# Altium PCB Prometheus.PcbDoc (part 2 of 2)
Units mm, origin at the board's own origin, x right, y up, seen from the top; angles counter-clockwise.
Board outline 87.63 x 93.35 mm, 2 copper layers (Top Layer, Bottom Layer), stack 1.58 mm thick; 78 components, 51 nets, 376 pads, 577 vias.
Unrouted connection lines stored in the file: 10.
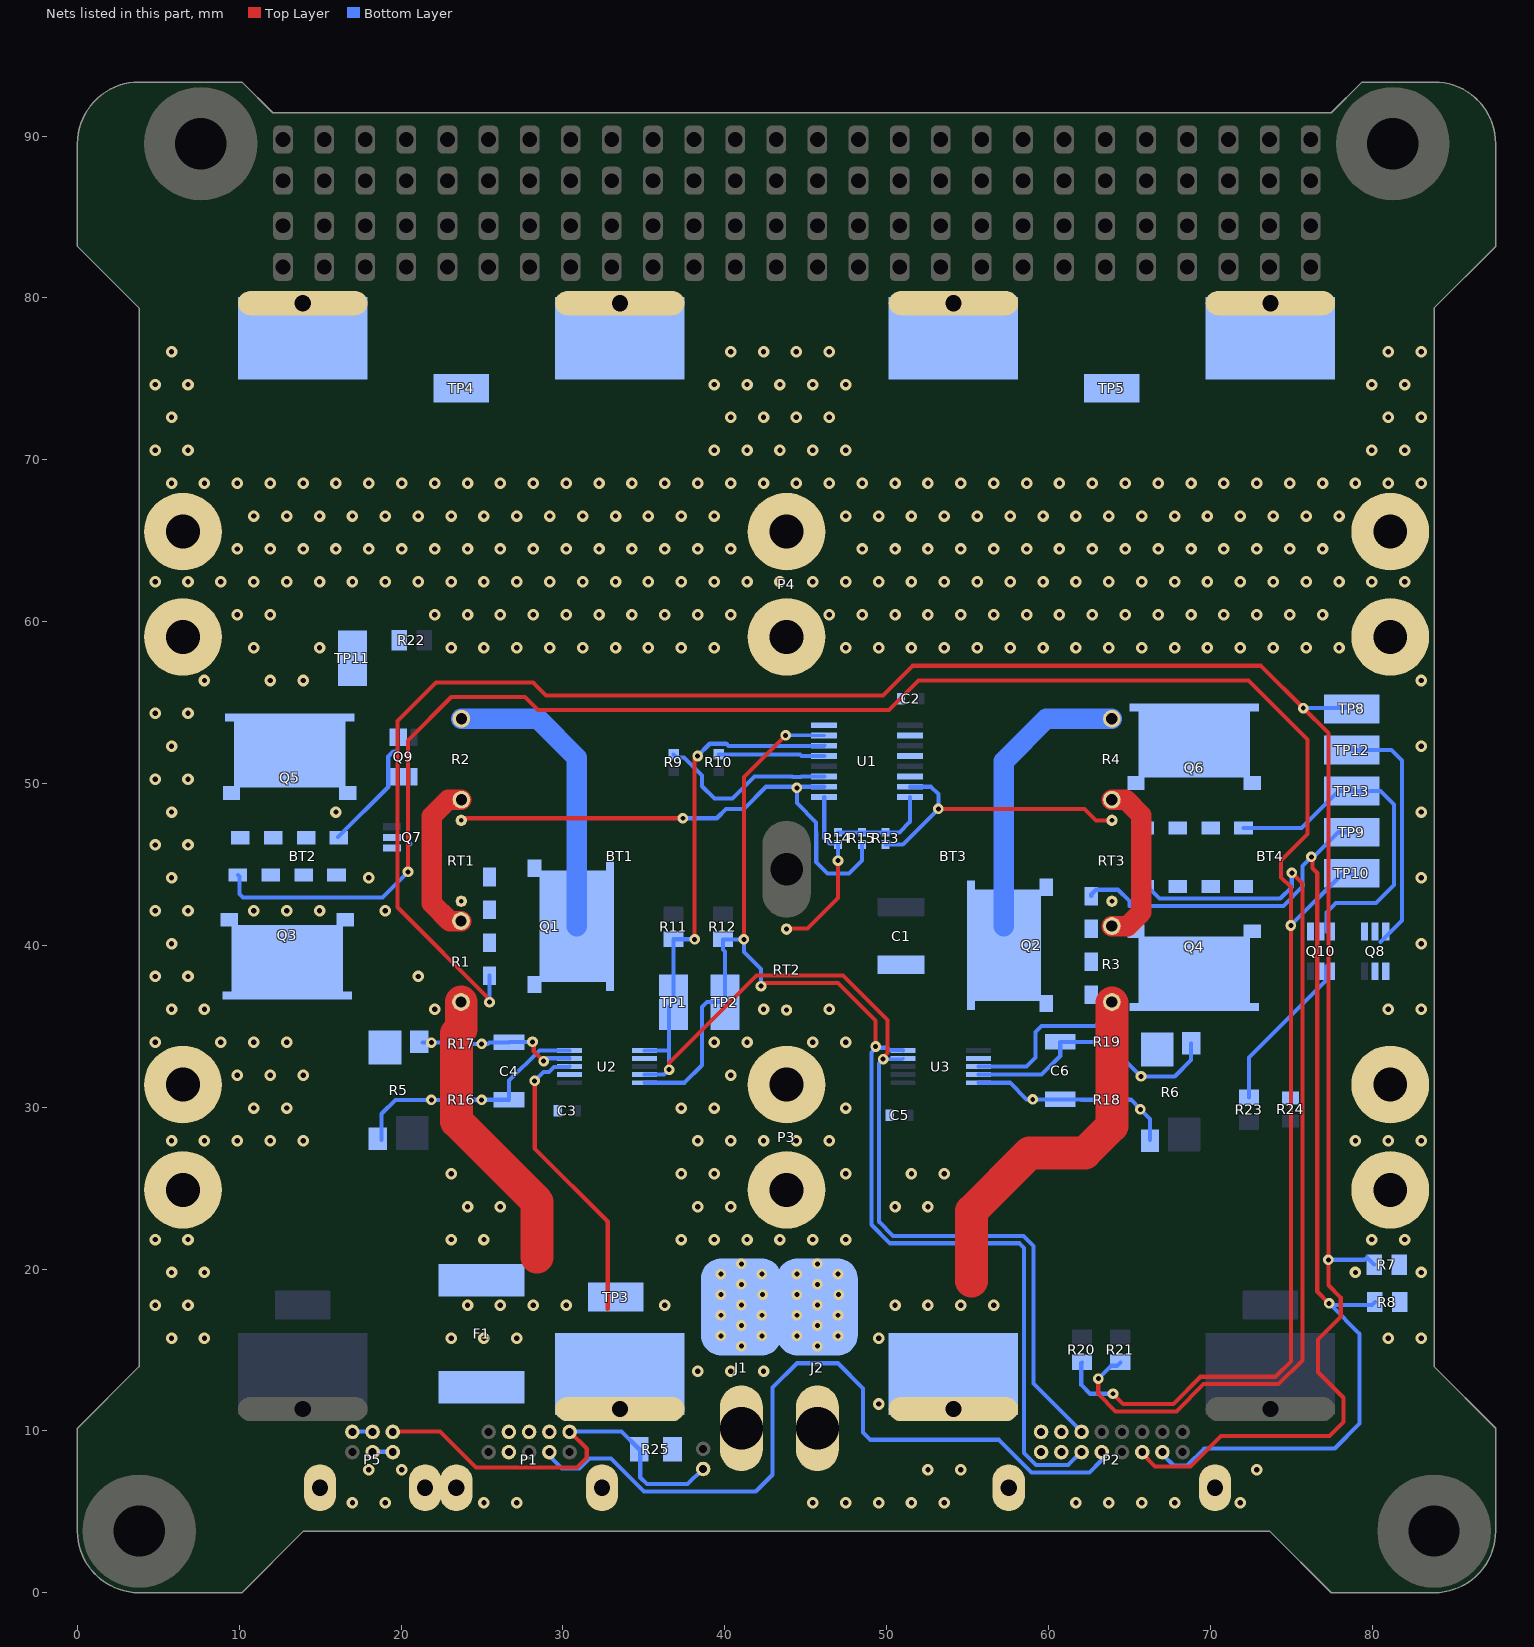
[diagram p2: the nets of this part, all layers, seen from the top]

## Via types
v1: diameter 0.711, hole 0.33, Top Layer to Bottom Layer, tented both sides, 363 vias
v2: diameter 0.655, hole 0.25, Top Layer to Bottom Layer, tented both sides, 128 vias
v3: diameter 0.655, hole 0.305, Top Layer to Bottom Layer, tented both sides, 86 vias

## Nets (pads, with @x,y where several pads share a name; then routed paths per layer and width w, separated by ;. In a path a pad name is that pad's centre, name@x,y a point inside that pad or via, vN(x,y) a via of type N, cw(c..) or ccw(c..) an arc to the next point about the centre after c; other vN are vias at no path point) (continued)
GND: C1.1 C2.1 C3.1 C5.1 J2.1 J2.2 P1.3 P1.8 P1.11 P1.12 P2.1 P2.2 P2.3 P2.4 P2.17 P2.18 P3.1 P3.2 P3.3 P3.4 P3.5 P3.6 P4.1 P4.2 P4.3 P4.4 P4.5 P4.6 P5.7 P5.8 Q1.3 Q2.3 Q5.2 Q6.2 Q7.3 Q8.3 Q9.3 Q10.3 R7.1 R8.1 R24.1 RT1.1 RT2.1 RT3.1 U1.2 U1.4 U1.6 U1.16 U2.2 U2.7 U3.7
  other v1: 16.989,5.565 19.021,5.565 25.117,5.565 27.149,5.565 45.437,5.565 47.469,5.565 49.501,5.565 51.533,5.565 53.565,5.565 61.693,5.565 63.725,5.565 65.757,5.565 67.789,5.565 71.853,5.565 18.005,7.597 20.037,7.597 52.549,7.597 54.581,7.597 72.869,7.597 5.813,15.725 7.845,15.725 80.997,15.725 83.029,15.725 4.797,17.757 6.829,17.757 5.813,19.789 7.845,19.789 78.965,19.789 83.029,19.789 4.797,21.821 6.829,21.821 23.085,21.821 25.117,21.821 37.309,21.821 39.341,21.821 41.373,21.821 43.405,21.821 45.437,21.821 47.469,21.821 79.981,21.821 82.013,21.821 24.101,23.853 26.133,23.853 38.325,23.853 40.357,23.853 50.517,23.853 52.549,23.853 23.085,25.885 37.309,25.885 39.341,25.885 47.469,25.885 51.533,25.885 53.565,25.885 5.813,27.917 7.845,27.917 9.877,27.917 11.909,27.917 13.941,27.917 38.325,27.917 40.357,27.917 42.389,27.917 44.421,27.917 46.453,27.917 78.965,27.917 80.997,27.917 83.029,27.917 10.893,29.949 12.925,29.949 37.309,29.949 39.341,29.949 47.469,29.949 9.877,31.981 11.909,31.981 13.941,31.981 40.357,31.981 4.797,34.013 8.861,34.013 10.893,34.013 12.925,34.013 39.341,34.013 41.373,34.013 45.437,34.013 47.469,34.013 5.813,36.045 7.845,36.045 22.069,36.045 42.389,36.045 46.453,36.045 80.997,36.045 83.029,36.045 4.797,38.077 6.829,38.077 21.053,38.077 5.813,40.109 83.029,40.109 4.797,42.141 6.829,42.141 10.893,42.141 12.925,42.141 14.957,42.141 19.021,42.141 5.813,44.173 18.005,44.173 83.029,44.173 4.797,46.205 6.829,46.205 5.813,48.237 15.973,48.237 83.029,48.237 4.797,50.269 6.829,50.269 5.813,52.301 83.029,52.301 4.797,54.333 6.829,54.333 7.845,56.365 11.909,56.365 13.941,56.365 83.029,56.365 10.893,58.397 14.957,58.397 23.085,58.397 25.117,58.397 27.149,58.397 29.181,58.397 31.213,58.397 33.245,58.397 35.277,58.397 37.309,58.397 39.341,58.397 47.469,58.397 49.501,58.397 51.533,58.397 53.565,58.397 55.597,58.397 57.629,58.397 59.661,58.397 61.693,58.397 63.725,58.397 65.757,58.397 67.789,58.397 69.821,58.397 71.853,58.397 73.885,58.397 75.917,58.397 77.949,58.397 9.877,60.429 11.909,60.429 22.069,60.429 24.101,60.429 26.133,60.429 28.165,60.429 30.197,60.429 32.229,60.429 34.261,60.429 36.293,60.429 38.325,60.429 40.357,60.429 46.453,60.429 48.485,60.429 50.517,60.429 52.549,60.429 54.581,60.429 56.613,60.429 58.645,60.429 60.677,60.429 62.709,60.429 64.741,60.429 66.773,60.429 68.805,60.429 70.837,60.429 72.869,60.429 74.901,60.429 76.933,60.429 4.797,62.461 6.829,62.461 8.861,62.461 10.893,62.461 12.925,62.461 14.957,62.461 16.989,62.461 19.021,62.461 21.053,62.461 23.085,62.461 25.117,62.461 27.149,62.461 29.181,62.461 31.213,62.461 33.245,62.461 35.277,62.461 37.309,62.461 39.341,62.461 41.373,62.461 43.405,62.461 45.437,62.461 47.469,62.461 49.501,62.461 51.533,62.461 53.565,62.461 55.597,62.461 57.629,62.461 59.661,62.461 61.693,62.461 63.725,62.461 65.757,62.461 67.789,62.461 69.821,62.461 71.853,62.461 73.885,62.461 75.917,62.461 77.949,62.461 79.981,62.461 82.013,62.461 9.877,64.493 11.909,64.493 13.941,64.493 15.973,64.493 18.005,64.493 20.037,64.493 22.069,64.493 24.101,64.493 26.133,64.493 28.165,64.493 30.197,64.493 32.229,64.493 34.261,64.493 36.293,64.493 38.325,64.493 40.357,64.493 48.485,64.493 50.517,64.493 52.549,64.493 54.581,64.493 56.613,64.493 58.645,64.493 60.677,64.493 62.709,64.493 64.741,64.493 66.773,64.493 68.805,64.493 70.837,64.493 72.869,64.493 74.901,64.493 76.933,64.493 10.893,66.525 12.925,66.525 14.957,66.525 16.989,66.525 19.021,66.525 21.053,66.525 23.085,66.525 25.117,66.525 27.149,66.525 29.181,66.525 31.213,66.525 33.245,66.525 35.277,66.525 37.309,66.525 39.341,66.525 47.469,66.525 49.501,66.525 51.533,66.525 53.565,66.525 55.597,66.525 57.629,66.525 59.661,66.525 61.693,66.525 63.725,66.525 65.757,66.525 67.789,66.525 69.821,66.525 71.853,66.525 73.885,66.525 75.917,66.525 77.949,66.525 5.813,68.557 7.845,68.557 9.877,68.557 11.909,68.557 13.941,68.557 15.973,68.557 18.005,68.557 20.037,68.557 22.069,68.557 24.101,68.557 26.133,68.557 28.165,68.557 30.197,68.557 32.229,68.557 34.261,68.557 36.293,68.557 38.325,68.557 40.357,68.557 42.389,68.557 44.421,68.557 46.453,68.557 48.485,68.557 50.517,68.557 52.549,68.557 54.581,68.557 56.613,68.557 58.645,68.557 60.677,68.557 62.709,68.557 64.741,68.557 66.773,68.557 68.805,68.557 70.837,68.557 72.869,68.557 74.901,68.557 76.933,68.557 78.965,68.557 80.997,68.557 83.029,68.557 4.797,70.589 6.829,70.589 39.341,70.589 41.373,70.589 43.405,70.589 45.437,70.589 47.469,70.589 79.981,70.589 82.013,70.589 5.813,72.621 40.357,72.621 42.389,72.621 44.421,72.621 46.453,72.621 80.997,72.621 83.029,72.621 4.797,74.653 6.829,74.653 39.341,74.653 41.373,74.653 43.405,74.653 45.437,74.653 47.469,74.653 79.981,74.653 82.013,74.653 5.813,76.685 40.357,76.685 42.389,76.685 44.421,76.685 46.453,76.685 80.997,76.685 83.029,76.685
  other v3: 45.72,15.24 44.45,15.875 46.99,15.875 45.72,16.51 44.45,17.145 46.99,17.145 45.72,17.78 44.45,18.415 47.03,18.415 45.72,19.05 44.45,19.685 46.99,19.685 45.72,20.32
HEATERSWITCH1: P2.11 Q1.1 R7.2 TP8.1 | length 147.1
  Top Layer w0.254: v3(25.46,36.491) 25.46,36.659 19.764,42.355 19.764,53.866 22.15,56.252 28.159,56.252 28.961,55.45 49.769,55.45 51.594,57.274 73.126,57.274 v3(75.739,54.661) 77.292,53.108 v3(77.292,20.571) 77.292,18.999 78.054,18.237 78.054,17.043 76.657,15.646 76.657,13.622 78.232,12.047 78.232,10.541 77.371,9.68 70.665,9.68 68.783,7.798 66.583,7.798 65.79,8.591 P2.11@65.79,8.81
  Bottom Layer w0.254: v3(25.46,36.491) Q1.1@25.46,38.13 ; v3(75.739,54.661) 78.689,54.661 TP8.1@78.74,54.61 ; v3(77.292,20.571) 79.511,20.571 79.667,20.726 R7.2@80.124,20.269
HEATERSWITCH2: P2.13 Q2.1 R8.2 TP9.1 | length 72.2
  Top Layer w0.254: v3(76.244,45.466) 76.321,45.389 76.321,44.762 76.604,44.48 76.604,18.621 v3(77.343,17.882) v3@77.394,17.831
  Bottom Layer w0.254: Q2.1@62.64,43.045 62.64,43.151 62.923,43.434 64.293,43.434 64.999,42.728 64.999,42.443 74.509,42.443 75.689,43.623 75.689,44.911 v3(76.244,45.466) ; P2.13@67.04,8.711 67.139,8.711 67.139,8.446 67.739,7.845 68.553,7.845 69.624,8.915 77.685,8.915 79.225,10.456 79.225,15.999 v3@77.445,17.78 ; v3@76.467,45.543 77.914,46.99 TP9.1@78.74,46.99 ; v3(77.343,17.882) v3@77.445,17.78 ; R8.2@80.162,17.958 79.985,17.78 v3@77.445,17.78
NetBT1_2: BT1.2 BT2.1 TP4.1
NetBT3_2: BT3.2 BT4.1 TP5.1
NetC4_1: C4.1 R17.2 U2.9 | length 7.2
  Top Layer w0.254: v3(28.118,34.036) 28.194,33.959 28.194,33.451 v3(28.804,32.842)
  Bottom Layer w0.254: R17.2@24.131,33.909 v3(24.97,33.909) 25.349,33.909 25.448,34.008 C4.1@26.67,34.008 26.698,34.036 v3(28.118,34.036) ; v3(28.804,32.842) 28.867,32.842 29.052,33.027 30.383,33.027 U2.9@30.397,33.012
NetC4_2: C4.2 R16.2 U2.10 | length 8.2
  Bottom Layer w0.254: R16.2@24.131,30.458 v3(24.97,30.458) C4.2@26.67,30.458 26.67,31.639 28.543,33.512 U2.10@30.397,33.512
NetC6_1: C6.1 R19.2 U3.9 | length 8.9
  Bottom Layer w0.254: U3.9@55.665,32.012 59.578,32.012 59.824,32.258 ; 59.825,32.258 60.724,33.157 C6.1@60.724,34.033 ; C6.1@60.77,34.033 R19.2@63.252,34.033
NetC6_2: C6.2 R18.2 U3.10 | length 8
  Bottom Layer w0.254: U3.10@55.665,31.512 57.613,31.512 58.642,30.483 C6.2@60.724,30.483 62.004,30.483 62.025,30.462 R18.2@63.252,30.462
  other v3: 59.024,30.483
NetF1_2: F1.2 P1.4 P1.6
NetQ1_2: Q1.2 R2.1 | length 18.6
  Bottom Layer w1.27: R2.1@23.715,54 28.453,54 30.855,51.598 Q1.2@30.855,41.175
NetQ2_2: Q2.2 R4.1 | length 18
  Bottom Layer w1.27: Q2.2@57.245,41.175 57.245,51.38 59.865,54 R4.1@63.915,54
NetQ3_1: Q3.1 Q7.1 R20.1 TP10.1 | length 142
  Top Layer w0.254: v3(20.422,44.536) 20.422,52.664 23.095,55.338 27.658,55.338 28.462,54.534 50.146,54.534 51.972,56.36 72.356,56.36 75.993,52.722 75.993,46.871 74.374,45.252 74.374,44.203 74.974,43.603 v3(74.974,41.224) 74.974,14.294 74.025,13.344 69.392,13.344 67.709,11.661 64.615,11.661 64.046,12.23 v3@63.919,12.23
  Bottom Layer w0.254: Q3.1@9.914,44.353 10.008,44.26 10.008,43.18 10.221,42.966 18.852,42.966 v3(20.422,44.536) 20.422,46.126 20.574,46.279 ; R20.1@62.062,14.231 62.025,14.194 62.025,12.827 62.559,12.294 v3(63.983,12.294) ; v3(74.974,41.224) 74.974,41.246 78.178,44.45 TP10.1@78.74,44.45
NetQ3_2: Q3.2 R5.1
NetQ3_3: Q3.3 Q5.3
NetQ4_1: Q4.1 Q8.1 R21.2 TP12.1 | length 73
  Top Layer w0.254: v3(63.075,13.225) 63.075,12.271 64.142,11.204 67.899,11.204 69.582,12.887 74.214,12.887 75.689,14.362 75.689,43.818 v3(75.032,44.475)
  Bottom Layer w0.254: v3(63.075,13.225) 63.871,14.021 64.227,14.021 R21.2@64.437,14.231 ; Q4.1@66.12,43.64 66.86,42.9 74.32,42.9 75.032,43.612 v3(75.032,44.475) ; TP12.1@78.74,52.07 81.178,52.07 81.839,51.41 81.839,41.539 80.508,40.208 80.502,40.208
NetQ4_2: Q4.2 R6.2
NetQ4_3: Q4.3 Q6.3
NetQ5_1: Q5.1 Q9.1 R22.2 TP11.1 | length 6.9
  Bottom Layer w0.254: Q5.1@16.103,46.695 19.202,49.795 19.202,51.664 19.509,51.971 19.759,51.971
NetQ6_1: Q6.1 Q10.1 R23.1 TP13.1 | length 31.7
  Bottom Layer w0.254: Q6.1@72.045,47.256 75.64,47.256 77.914,49.53 TP13.1@78.74,49.53 80.518,49.53 81.356,48.692 81.356,43.739 80.239,42.621 77.749,42.621 77.165,42.037 77.165,40.865 ; R23.1@72.39,30.608 72.39,33.071 77.156,37.837 77.156,38.684
NetR1_1: R1.1 R2.2 | length 9.9
  Top Layer w1.27: R1.1@23.698,41.5 22.991,41.5 21.881,42.61 21.881,47.972 22.909,49 R2.2@23.724,49
NetR3_1: R3.1 R4.2 | length 10.4
  Top Layer w1.27: R3.1@63.915,41.193 64.895,41.193 65.735,42.033 65.735,48.047 64.782,49 R4.2@63.915,49
NetR9_1: R9.1 U1.11 | length 11.4
  Bottom Layer w0.254: R9.1@36.83,51.8 37.028,51.602 37.484,51.602 38.595,50.491 38.595,49.831 39.352,49.074 40.463,49.074 41.821,50.432 44.152,50.432 44.153,50.433 44.178,50.409 44.722,50.409 44.747,50.433 44.748,50.432 U1.11@46.139,50.432
NetR10_1: R10.1 U1.13 | length 6.6
  Bottom Layer w0.254: R10.1@39.624,51.8 44.647,51.8 44.745,51.702 U1.13@46.139,51.702
NetR13_1: R13.1 RT3.2 U1.7 | length 18
  Top Layer w0.254: v3(53.19,48.429) 62.22,48.429 62.923,47.726 RT3.2@63.915,47.726
  Bottom Layer w0.254: R13.1@49.935,46.234 50.995,46.234 v3(53.19,48.429) 53.19,49.35 52.743,49.797 U1.7@51.448,49.797
NetR14_1: R14.1 RT2.2 U1.9 | length 10.6
  Top Layer w0.254: RT2.2@43.815,41.2 43.985,41.03 45.105,41.03 46.99,42.915 v3(46.99,45.237)
  Bottom Layer w0.254: U1.9@46.139,49.162 46.139,46.623 46.456,46.306 46.732,46.306 ; v3(46.99,45.237) 46.99,46.234 R14.1@46.99,46.259
NetR15_1: R15.1 RT1.2 U1.10 | length 32.5
  Top Layer w0.254: RT1.2@23.715,47.726 23.843,47.854 v3(37.408,47.854)
  Bottom Layer w0.254: v3(37.408,47.854) 39.5,47.854 40.076,48.429 41.178,48.429 42.549,49.8 44.38,49.8 v3(44.452,49.727) 44.452,48.796 44.45,48.793 45.644,47.6 45.644,46.963 45.645,46.962 45.645,45.16 46.355,44.45 47.676,44.45 48.463,45.237 R15.1@48.463,46.234 ; v3@44.728,49.797 U1.10@46.139,49.797
OFF_J_RBF: P1.7 P2.7 | length 47.4
  Bottom Layer w0.254: P1.7@29.156,8.711 P1.7@29.156,8.685 29.156,8.461 29.947,7.671 31.026,7.671 31.646,8.292 32.957,8.292 35.001,6.248 41.91,6.248 42.951,7.29 42.951,12.672 44.456,14.177 46.984,14.177 48.539,12.622 48.539,9.896 48.987,9.449 56.934,9.449 58.953,7.43 62.522,7.43 63.29,8.197 P2.7@63.29,8.635
SCL: P2.5 R12.2 TP2.1 U1.15 U2.5 U3.5 | length 83.5
  Top Layer w0.254: v3(41.178,40.369) 41.178,50.397 v3(43.756,52.975) ; v3(42.236,37.479) 42.436,37.679 46.98,37.679 49.315,35.344 v3(49.315,33.752)
  Bottom Layer w0.203: v3(43.756,52.975) 43.88,52.975 45.336,52.975 45.339,52.972 U1.15@46.139,52.972
  Bottom Layer w0.254: U2.5@35.047,31.512 37.515,31.512 38.595,32.592 38.595,36.2 38.886,36.491 TP2.1@40.005,36.491 40.005,39.617 39.878,39.744 R12.2@39.878,40.369 v3(41.178,40.369) 41.178,39.589 42.236,38.532 v3(42.236,37.479) ; v3(43.756,52.975) v3@43.88,53.099 ; U3.5@51.015,33.512 50.994,33.533 50.15,33.533 50.008,33.675 49.392,33.675 v3(49.315,33.752) 49.315,33.643 49.059,33.387 49.059,22.735 50.204,21.59 58.201,21.59 58.496,21.295 58.496,8.625 59.235,7.887 61.215,7.887 P2.5@62.04,8.711
SDA: P2.6 R11.2 TP1.1 U1.14 U2.1 U2.4 U3.4 | length 86.1
  Top Layer w0.254: v3(36.555,32.325) 36.555,32.728 41.963,38.136 47.311,38.136 50.052,35.395 50.052,33.361 v3@49.784,33.093 ; v3@38.13,40.287 v3(38.13,40.369) v3@38.13,51.518
  Bottom Layer w0.203: v3@49.722,32.907 v3(49.784,32.969) 50.972,32.969 U3.4@51.015,33.012
  Bottom Layer w0.254: U2.4@35.047,32.012 36.242,32.012 v3(36.555,32.325) 36.555,33.528 ; U2.1@35.047,33.512 36.539,33.512 36.555,33.528 ; v3@38.13,40.287 38.042,40.375 36.83,40.375 R11.2@36.83,40.369 TP1.1@36.83,36.491 36.555,36.216 36.555,33.528 ; v3(38.314,51.702) 39.067,52.455 40.086,52.455 40.224,52.317 46.12,52.317 U1.14@46.139,52.337 ; v3@49.722,32.907 49.516,32.702 49.516,22.924 50.394,22.047 58.455,22.047 59.08,21.422 59.08,12.921 P2.6@62.04,9.961
SENSE1+: R5.3 R16.1 | length 6.5
  Bottom Layer w0.254: R5.3@18.796,27.989 18.796,29.595 19.656,30.455 v3(21.869,30.455) 23.377,30.455 R16.1@23.379,30.458
SENSE1-: R5.4 R17.1 | length 2.1
  Bottom Layer w0.254: R5.4@21.336,33.987 21.338,33.985 v3(21.869,33.985) 22.514,33.985 22.516,33.987 22.593,33.91 22.864,33.91 22.865,33.909 R17.1@23.379,33.909
SENSE2+: R6.4 R18.1 | length 4
  Bottom Layer w0.254: R18.1@64.003,30.462 65.087,30.462 v3(65.678,29.87) 66.27,29.279 R6.4@66.27,27.989
SENSE2-: R6.3 R19.1 | length 7.4
  Bottom Layer w0.254: R19.1@64.003,34.033 64.002,33.613 v3(65.715,31.9) 67.798,31.9 68.81,32.912 R6.3@68.81,33.936
SW1+: P5.3 P5.5 | length 1.3
  Bottom Layer w0.254: P5.3@18.233,8.711 P5.5@19.483,8.711
SW1-: P1.10 P5.6 pad.6@38.659,7.645 R25.2 | length 26.2
  Top Layer w0.254: P5.6@19.483,9.961 22.398,9.961 24.613,7.747 30.861,7.747 31.471,8.357 31.471,8.897 P1.10@30.406,9.961
  Bottom Layer w0.254: P1.10@30.406,9.961 33.616,9.961 R25.2@34.713,8.865 34.773,8.805 34.773,7.123 35.19,6.706 37.693,6.706 pad.6@38.659,7.645
SW3-: P5.2 P5.4 | length 1.3
  Bottom Layer w0.254: P5.2@16.983,9.961 P5.4@18.233,9.961
VBATT: BT1.1 BT3.1 F1.1 J1.1 J1.2 R1.2 R3.2 R25.1 TP3.1 U2.8 U3.8 | length 70.3
  Top Layer w0.254: v3(28.251,31.627) 28.251,27.458 32.766,22.943 32.766,17.526
  Top Layer w2.032: R1.2@23.715,36.5 23.715,34.841 23.423,34.55 23.423,29.127 28.397,24.153 28.397,20.725 ; 55.245,19.253 55.245,23.584 58.836,27.175 62.255,27.175 63.915,28.835 R3.2@63.915,36.447
  Bottom Layer w0.254: v3(28.251,31.627) 28.804,32.179 29.134,32.179 29.446,32.491 30.376,32.491 U2.8@30.397,32.512 ; U3.8@55.665,32.512 58.637,32.512 59.195,33.07 59.195,34.64 59.563,35.008 62.917,35.008 63.915,36.006 R3.2@63.915,36.5
  other v1: 49.501,11.661 38.325,13.693 40.357,13.693 42.389,13.693 23.085,15.725 25.117,15.725 27.149,15.725 49.501,15.725 24.101,17.757 26.133,17.757 28.165,17.757 30.197,17.757 36.293,17.757 50.517,17.757 52.549,17.757 54.581,17.757 56.613,17.757
  other v3: 41.021,15.24 39.751,15.875 42.291,15.875 41.021,16.51 39.751,17.145 42.291,17.145 41.021,17.78 39.751,18.415 42.331,18.415 41.021,19.05 39.751,19.685 42.291,19.685 41.021,20.32
VREF: R13.2 R14.2 R15.2 U1.8 | length 6.3
  Bottom Layer w0.254: R14.2@46.99,46.985 R15.2@48.463,46.985 R13.2@49.935,46.985 50.792,46.984 51.448,47.639 U1.8@51.448,49.162
pads on no net: H1.1 H1.2 H1.3 H1.4 H1.5 H1.6 H1.7 H1.8 H1.9 H1.10 H1.11 H1.12 H1.13 H1.14 H1.15 H1.16 H1.17 H1.18 H1.19 H1.20 H1.21 H1.22 H1.23 H1.24 H1.25 H1.26 H1.27 H1.28 H1.29 H1.30 H1.31 H1.32 H1.33 H1.34 H1.35 H1.36 H1.37 H1.38 H1.39 H1.40 H1.41 H1.42 H1.43 H1.44 H1.45 H1.46 H1.47 H1.48 H1.49 H1.50 H1.51 H1.52 H2.1 H2.2 H2.3 H2.4 H2.5 H2.6 H2.7 H2.8 H2.9 H2.10 H2.11 H2.12 H2.13 H2.14 H2.15 H2.16 H2.17 H2.18 H2.19 H2.20 H2.21 H2.22 H2.23 H2.24 H2.25 H2.26 H2.27 H2.28 H2.29 H2.30 H2.31 H2.32 H2.33 H2.34 H2.35 H2.36 H2.37 H2.38 H2.39 H2.40 H2.41 H2.42 H2.43 H2.44 H2.45 H2.46 H2.47 H2.48 H2.49 H2.50 H2.51 H2.52 U2.3 U3.3

## Polygon pours and split planes (outlines as drawn)
GND on Top Layer "GND_L01_P220" (solid, remove dead copper, pour order 220): 0,3.81 ccw(c3.81,3.81) 3.81,0 10.16,0 13.97,3.81 73.66,3.81 77.47,0 83.82,0 ccw(c83.82,3.81) 87.63,3.81 87.63,10.16 83.82,13.97 83.82,79.375 87.63,83.185 87.63,89.535 ccw(c83.82,89.535) 83.82,93.345 79.375,93.345 77.47,91.44 12.065,91.44 10.16,93.345 3.81,93.345 ccw(c3.81,89.535) 0,89.535 0,83.185 3.81,79.375 3.81,13.97 0,10.16
no net on Top Layer "NONET_L01_P221" (solid, remove dead copper, pour order 221): 0,3.81 ccw(c3.81,3.81) 3.81,0 10.16,0 13.97,3.81 73.66,3.81 77.47,0 83.82,0 ccw(c83.82,3.81) 87.63,3.81 87.63,10.16 83.82,13.97 83.82,79.375 87.63,83.185 87.63,89.535 ccw(c83.82,89.535) 83.82,93.345 79.375,93.345 77.47,91.44 12.065,91.44 10.16,93.345 3.81,93.345 ccw(c3.81,89.535) 0,89.535 0,83.185 3.81,79.375 3.81,13.97 0,10.16
3V3 on Top Layer "3V3_L01_P219" (solid, remove dead copper, pour order 219): 61.603,9.423 63.678,9.423 63.678,12.497 72.655,12.497 73.025,12.867 73.025,34.897 75.844,37.716 75.844,56.15 51.763,56.15 49.613,54 28.828,54 28.828,54.018 27.771,55.075 23.325,55.075 22.026,53.776 22.026,48.752 21.35,48.752 21.35,40.601 23.715,38.236 23.715,19.71 36.42,19.71 36.42,32.19 42.366,38.136 47.311,38.136 50.052,35.395 50.052,32.97 49.746,32.97 49.746,32.957 49.746,27.458 58.553,27.458 58.836,27.175 55.47,23.809 55.772,9.423
VBATT on Top Layer "VBATT_L01_P215" (solid, remove dead copper, pour order 218): 47.807,11.87 47.807,7.954 48.55,7.211 48.55,7.146 50.479,7.146 52.142,8.81 59.563,8.81 59.563,20.478 59.375,20.666 48.241,20.666 48.241,15.323 47.373,14.455 44.214,14.455 43.183,15.485 43.183,20.666 22.273,20.666 22.273,14.047 29.464,14.047 29.464,8.992 35.933,8.992 37.779,7.146 43.006,7.146 43.006,7.258 43.699,7.951 43.699,11.851 44.951,13.104 46.573,13.104
Chassis_GND_3 on Bottom Layer "CHASSIS_GND_3_L02_P222" (solid, remove dead copper, pour order 222): -1.295,94.971 -1.245,94.92 -1.245,78.435 91.161,78.435 91.262,78.537 91.034,78.765 91.034,94.691
GND on Bottom Layer "GND_L02_P217" (solid, remove dead copper, pour order 217): 0,3.81 ccw(c3.81,3.81) 3.81,0 10.16,0 13.97,3.81 73.66,3.81 77.47,0 83.82,0 ccw(c83.82,3.81) 87.63,3.81 87.63,10.16 83.82,13.97 83.82,79.375 87.63,83.185 87.63,89.535 ccw(c83.82,89.535) 83.82,93.345 79.375,93.345 77.47,91.44 12.065,91.44 10.16,93.345 3.81,93.345 ccw(c3.81,89.535) 0,89.535 0,83.185 3.81,79.375 3.81,13.97 0,10.16
NetQ4_3 on Bottom Layer "NETQ4_3_L02_P164" (solid, remove dead copper, pour order 164): 71.267,48.238 71.267,46.643 73.445,46.643 73.317,46.515 73.317,43.46 72.65,42.793 66.259,42.793 66.259,43.033 65.561,43.731 64.95,43.731 64.95,48.238
VBATT on Bottom Layer "VBATT_L02_P154" (solid, remove dead copper, pour order 154): 22.273,20.509 42.722,20.509 43.006,20.225 43.006,7.153 39.283,7.153 35.662,7.153 35.662,10.058 29.845,10.058 28.829,11.074 28.829,14.047 22.273,14.047

## Keep-outs
Keep-Out Layer:
  the board outline again, w0.203

## Other copper
Top Layer:
  pour cut-out: 5.599,0.438 6.056,0.718 6.512,1.108 6.902,1.564 7.215,2.075 7.445,2.629 7.585,3.212 7.632,3.81 7.585,4.408 7.445,4.991 7.215,5.545 6.902,6.056 6.512,6.512 6.056,6.902 5.545,7.264 4.991,7.445 4.408,7.585 3.81,7.632 3.212,7.585 2.629,7.445 2.075,7.215 1.564,6.902 1.108,6.512 0.718,6.056 0.405,5.545 0.175,4.991 0.035,4.408 -0.012,3.81 0.035,3.212 0.175,2.629 0.373,2.151 0.381,0 5.715,0
  pour cut-out: 5.831,92.907 5.374,92.627 4.918,92.237 4.528,91.781 4.215,91.27 3.985,90.716 3.845,90.133 3.798,89.535 3.845,88.937 3.985,88.354 4.215,87.8 4.528,87.289 4.918,86.833 5.374,86.443 5.885,86.081 6.439,85.9 7.022,85.76 7.62,85.713 8.218,85.76 8.801,85.9 9.355,86.13 9.866,86.443 10.322,86.833 10.712,87.289 11.025,87.8 11.255,88.354 11.395,88.937 11.442,89.535 11.395,90.133 11.255,90.716 11.057,91.194 11.049,93.345 5.715,93.345
  pour cut-out: 82.031,0.438 81.574,0.718 81.118,1.108 80.728,1.564 80.415,2.075 80.185,2.629 80.045,3.212 79.998,3.81 80.045,4.408 80.185,4.991 80.415,5.545 80.728,6.056 81.118,6.512 81.574,6.902 82.085,7.264 82.639,7.445 83.222,7.585 83.82,7.632 84.418,7.585 85.001,7.445 85.555,7.215 86.066,6.902 86.522,6.512 86.912,6.056 87.225,5.545 87.455,4.991 87.595,4.408 87.642,3.81 87.595,3.212 87.455,2.629 87.257,2.151 87.249,0 81.915,0
  pour cut-out: 83.069,92.907 83.526,92.627 83.982,92.237 84.372,91.781 84.685,91.27 84.915,90.716 85.055,90.133 85.102,89.535 85.055,88.937 84.915,88.354 84.685,87.8 84.372,87.289 83.982,86.833 83.526,86.443 83.015,86.081 82.461,85.9 81.878,85.76 81.28,85.713 80.682,85.76 80.099,85.9 79.545,86.13 79.034,86.443 78.578,86.833 78.188,87.289 77.875,87.8 77.645,88.354 77.505,88.937 77.458,89.535 77.505,90.133 77.645,90.716 77.843,91.194 77.851,93.345 83.185,93.345
  pour cut-out: 83.464,94.996
  region: 11.31,7.71
Bottom Layer:
  rectangle net BT2-: 20.168,9.5 25.857,11.43
  rectangle net NetF1_2: 26.137,9.398 28.397,13.743
  rectangle net NetQ3_1: 18.872,44.094 22.428,46.888
  rectangle net NetQ4_2: 65.684,32.512 67.691,37.16
  rectangle net NetQ4_1: 79.959,37.846 81.051,41.402
  rectangle net NetQ6_1: 76.606,37.846 77.724,41.402
  rectangle net VBATT: 49.124,9.779 58.141,21.184
  region net DEPLOY_SW: 65.075,15.265 65.075,16.281 61.443,16.281 61.443,15.265
  rectangle net NetQ3_2: 16.053,32.563 20.015,41.275
  rectangle net NetQ5_1: 16.078,56.007 20.371,59.487
  rectangle net DEPLOY_SW: 71.73,28.245 75.489,29.591
  region net NetQ5_1: 17.983,56.388 17.983,49.86 20.371,49.86 20.371,56.388
  rectangle net NetBT3_2: 48.26,70.612 78.74,80.772
  rectangle net NetBT1_2: 8.255,70.612 38.735,80.772
  rectangle net 3V3: 48.936,41.57 52.453,43.944
  rectangle net NetQ3_3: 11.054,43.296 17.266,45.839
  rectangle net NetQ3_3: 8.734,45.153 15.309,47.863
  rectangle net NetQ4_2: 67.64,32.614 67.666,32.69
  rectangle net BT2-: 19.659,25.806 21.688,29.772
  region net BT2-: 9.925,26.205 9.925,10.592 22.047,10.592 22.047,13.9 22.047,26.205
  region net BT4-: 74.974,27.984 74.974,25.73 75.114,25.521 75.717,24.917 75.717,18.059 78.359,15.418 78.359,10.856 77.309,9.806 70.527,9.806 68.895,11.438 68.895,12.606 68.869,12.735 68.796,12.845 68.124,13.517 68.014,13.59 67.437,14.165 67.437,27.984
  region net Chassis_GND_1: 83.509,13.97 83.533,13.851 83.6,13.75 87.319,10.031 87.319,3.81 87.322,3.795 87.28,3.262 87.152,2.727 86.941,2.22 86.654,1.751 86.297,1.333 85.879,0.976 85.41,0.689 84.903,0.478 84.368,0.35 83.835,0.308 83.82,0.311 77.599,0.311 73.88,4.03 73.779,4.097 73.685,4.116 73.685,8.122 78.113,8.122 78.242,8.147 78.352,8.22 80.121,9.99 80.194,10.099 80.22,10.228 80.22,13.97
  region net Chassis_GND_2: 9.112,13.97 9.112,9.532 9.138,9.403 9.211,9.294 9.751,8.754 9.861,8.681 9.989,8.655 13.75,8.655 13.75,4.03 10.031,0.311 3.81,0.311 3.795,0.308 3.262,0.35 2.727,0.478 2.22,0.689 1.751,0.976 1.333,1.333 0.976,1.751 0.689,2.22 0.478,2.727 0.35,3.262 0.308,3.795 0.311,3.81 0.311,10.031 4.03,13.75 4.097,13.851 4.121,13.97
  region: 7.1,41.7

## Silkscreen, mask and mechanical layers (free items; w line width, h text height)
Bottom Overlay:
  drawing of 1860 lines, arcs and shapes, not listed
  text "BT3-/BT4+" at 68.682,71.45 h1.14
  text "BT1-/BT2+" at 28.251,71.272 h1.14
  text "Prometheus (aka Battery board) is Ex-Alta 2's power storage board." at 77.47,66.97 h1.02
  text "PROMETHEUS" at 30.726,66.175 h1.27
  text "27/01/2020 V1.57 SVN 1727" at 30.732,65.17 h1.02
  text "-Batteries: 4 - NCR18650B (4.2V each, 2S2P)" at 77.47,65.024 h1.02
  text "-O/P: 8.4V, 13.6A (max)" at 77.47,64.008 h1.02
  text "-Charge: 0-45 deg C" at 77.47,62.992 h1.02
  text "Nicholas Sorensen, Tharun Suresh,  / Erik Halliwell, Stefan Damkjar, and  / Duncan Elliott" at 30.658,62.154 h1.02
  text "-Discharge: -20-60 deg C" at 77.47,61.976 h1.02
  text "-U1: MAX6698EE38" at 77.47,60.96 h1.02
  text "-U2(3): INA226" at 77.47,59.944 h1.02
  text "BS3" at 15.24,58.09 h1.14
  text "I2C:0x38" at 56.363,56.617 h1.14
  text "HS1" at 76.454,53.95 h1.14
  text "BS2" at 76.429,51.384 h1.14
  text "BS4" at 76.403,49.022 h1.14
  text "HS2" at 76.454,46.507 h1.14
  text "BS1" at 76.454,43.764 h1.14
  text "SDA" at 34.798,35.052 h1.14
  text "SCL" at 45.847,35.052 h1.14
  text "I2C:0x45" at 57.629,26.899 h1.14
  text "I2C:0x48" at 37.313,26.695 h1.14
  text "VBATT" at 36.119,19.685 h1.14
  text "BT4-" at 75.921,19.482 h1.14
  text "BT2-" at 15.596,19.355 h1.14
Bottom Solder:
  region: 84.525,93.079 84.982,92.957 85.418,92.776 85.828,92.54 86.203,92.252 86.537,91.918 86.825,91.543 87.061,91.133 87.242,90.697 87.364,90.24 87.426,89.771 87.426,89.535 87.426,83.269 85.208,81.051 77.673,81.051 77.673,91.355 79.459,93.141 84.056,93.141
  region: 11.227,91.99 11.227,81.051 2.422,81.051 0.204,83.269 0.204,89.535 0.204,89.771 0.266,90.24 0.388,90.697 0.569,91.133 0.805,91.543 1.093,91.918 1.427,92.252 1.802,92.54 2.212,92.776 2.648,92.957 3.105,93.079 3.574,93.141 10.076,93.141
  region: 83.509,13.97 83.533,13.851 83.6,13.75 87.319,10.031 87.319,3.81 87.322,3.795 87.28,3.262 87.152,2.727 86.941,2.22 86.654,1.751 86.297,1.333 85.879,0.976 85.41,0.689 84.903,0.478 84.368,0.35 83.835,0.308 83.82,0.311 77.599,0.311 73.88,4.03 73.779,4.097 73.685,4.116 73.685,8.122 78.113,8.122 78.242,8.147 78.352,8.22 80.121,9.99 80.194,10.099 80.22,10.228 80.22,13.97
  region: 9.112,13.97 9.112,9.532 9.138,9.403 9.211,9.294 9.751,8.754 9.861,8.681 9.989,8.655 13.97,8.655 13.97,4.248 13.97,4.121 13.851,4.097 13.75,4.03 10.031,0.311 3.81,0.311 3.795,0.308 3.262,0.35 2.727,0.478 2.22,0.689 1.751,0.976 1.333,1.333 0.976,1.751 0.689,2.22 0.478,2.727 0.35,3.262 0.308,3.795 0.311,3.81 0.311,10.031 4.03,13.75 4.097,13.851 4.121,13.97

## Text inside footprints (layer, text, board x,y; h text height)
U1: Mechanical 13 "*" at 50.724,52.527 h1.14